# Altium PCB PCB1.PcbDoc (part 2 of 2)
Units mil, origin at the board's own origin, x right, y up, seen from the top; angles counter-clockwise.
Board outline 4000 x 4000 mil, 4 copper layers (Top Layer, Middle Layer 1, Middle Layer 2, Bottom Layer), stack 23.8 mil thick; 93 components, 125 nets, 496 pads, 168 vias.
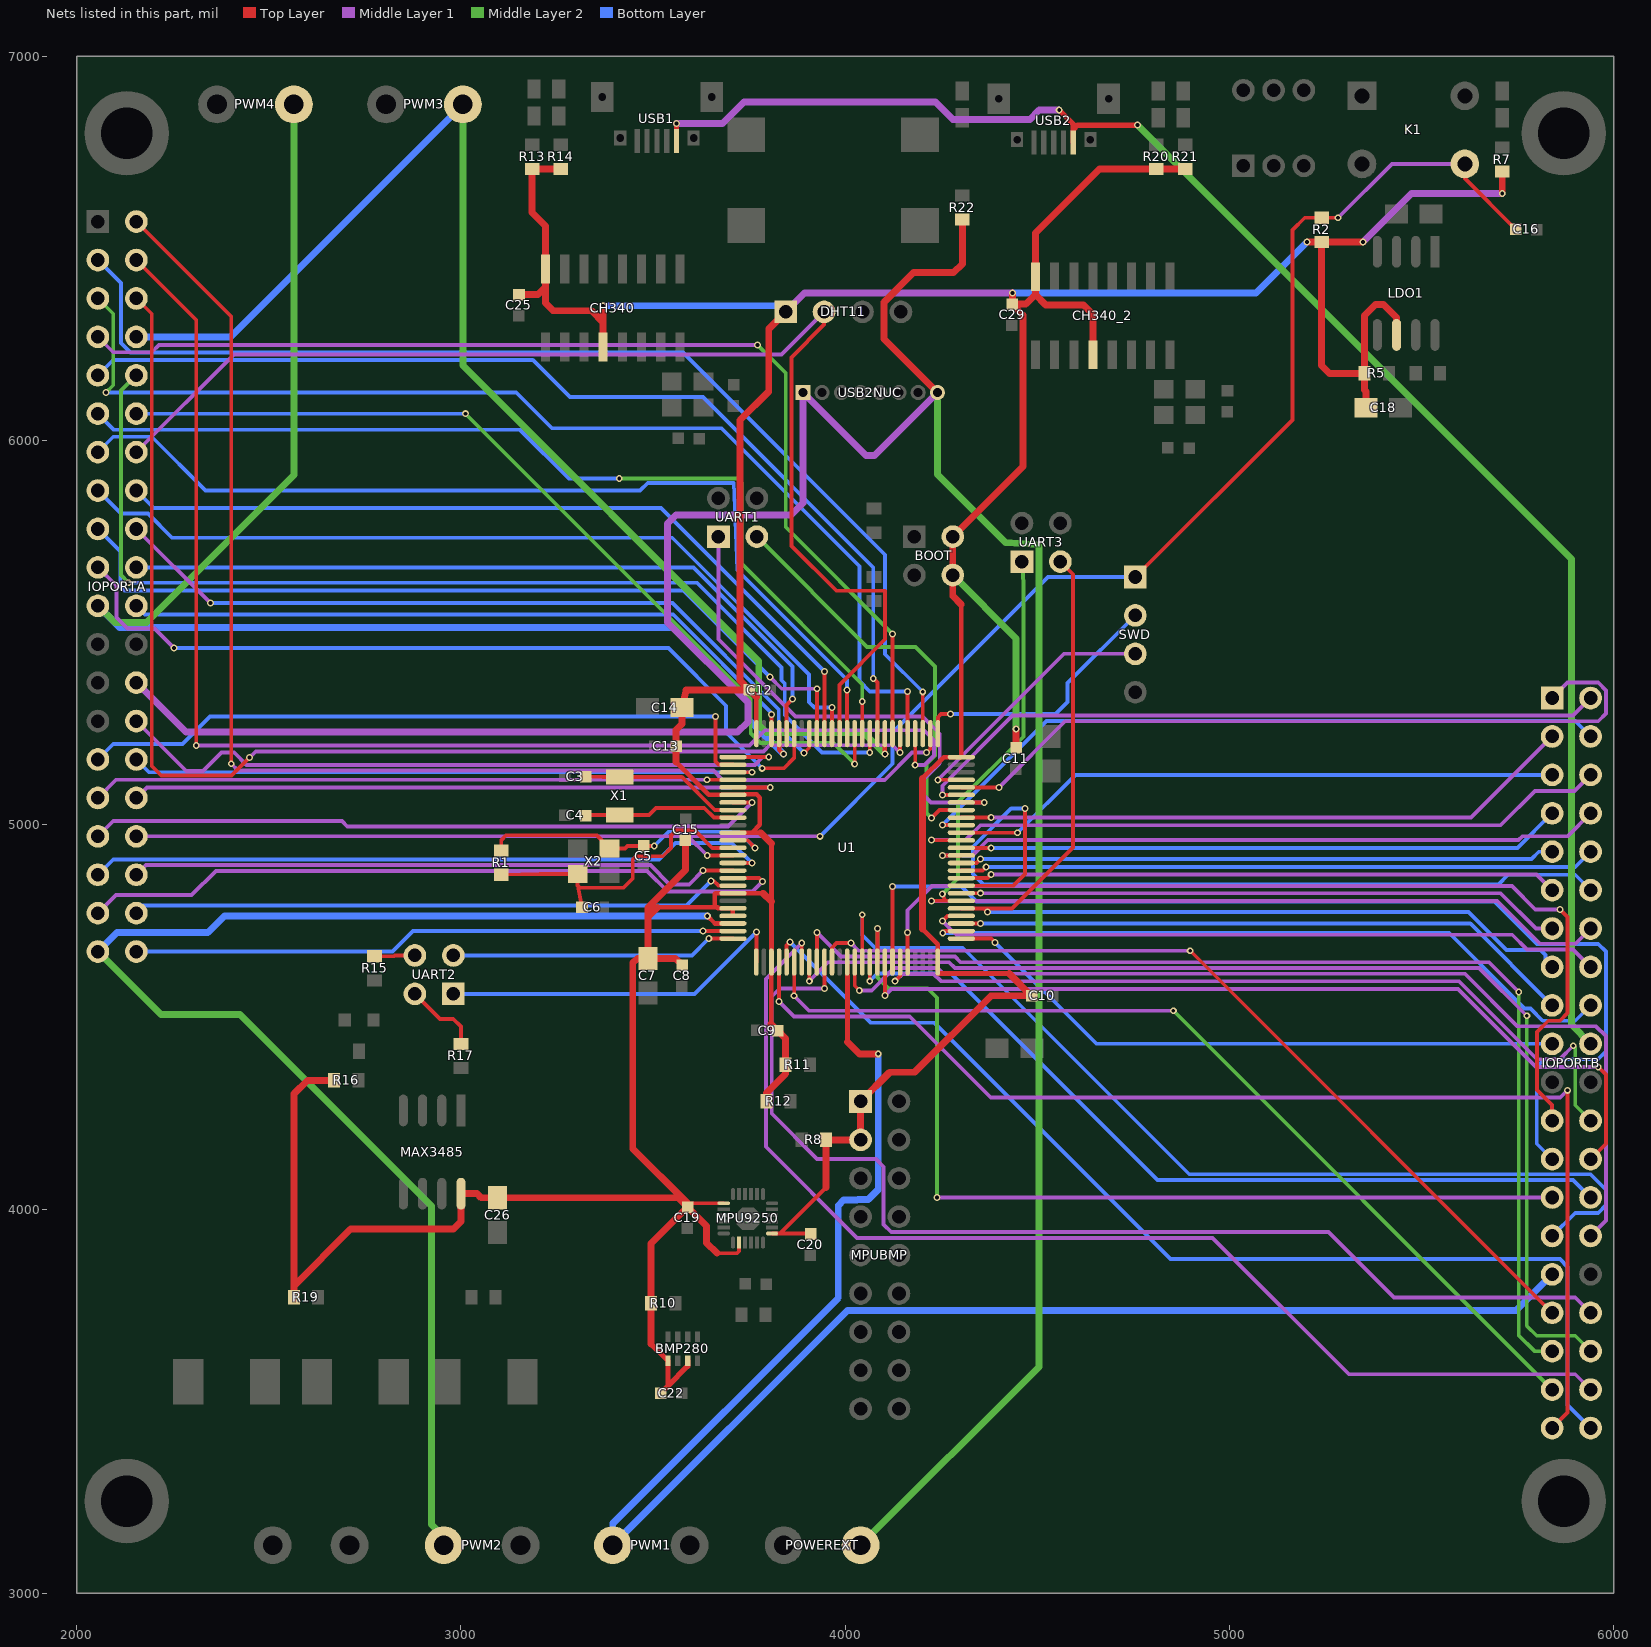
[diagram p4: the nets of this part, all layers, seen from the top]

## Via types
v1: diameter 18, hole 10, Top Layer to Bottom Layer, 162 vias
v2: diameter 50, hole 10, Top Layer to Bottom Layer, 4 vias
v3: diameter 62.99, hole 62.99, Top Layer to Bottom Layer, 1 vias
v4: diameter 70.87, hole 70.87, Top Layer to Bottom Layer, 1 vias

## Nets (pads, with @x,y where several pads share a name; then routed paths per layer and width w, separated by ;. In a path a pad name is that pad's centre, name@x,y a point inside that pad or via, vN(x,y) a via of type N, cw(c..) or ccw(c..) an arc to the next point about the centre after c; other vN are vias at no path point) (continued)
NRST: C16.2 IOPORTA.34 K1.3 R2.1 SWD.1 U1.14 | length 4881.2
  Top Layer w10: v1(3641,4920.32) U1.14@3707.76,4920.32 ; SWD.1@4755,5645 5164,6054 5164,6548 5196,6580 R2.1@5240,6580 v1(5283,6580) ; K1.3@5612.72,6720 5612.72,6682.28 C16.2@5745,6550
  Middle Layer 1 w10: IOPORTA.34@2155,4970 3591.32,4970 ; v1(3641,4920.32) 3591.32,4970 ; v1(3934,4970) 3591.32,4970 ; v1(5283,6580) 5423,6720 K1.3@5612.72,6720
  Bottom Layer w10: v1(3934,4970) 4123,5159 4123,5240 4528,5645 SWD.1@4755,5645
OSC32_IN: C3.2 U1.8 X1.2 | length 418.6
  Top Layer w10: C3.2@3325,5125 3368,5125 3368.79,5124.21 X1.2@3413.03,5124.21 3574.79,5124.21 3660.57,5038.43 U1.8@3707.76,5038.43
OSC32_OUT: C4.2 U1.9 X1.1 | length 402.6
  Top Layer w10: C4.2@3325,5024 3325,5025.79 X1.1@3413.03,5025.79 3489,5025.79 3507.21,5044 3633,5044 3658.26,5018.74 U1.9@3707.76,5018.74
OSC_IN: C5.2 R1.1 U1.12 X2.1 | length 807.8
  Top Layer w10: R1.1@3105,4932.99 3105,4960 3118,4973 3352.34,4973 3386.34,4939 X2.1@3386.34,4938.46 3427,4938.46 3433.54,4945 C5.2@3476,4945 v1(3503,4945) ; U1.12@3707.76,4959.69 3745.31,4959.69 v1(3765,4940)
  Bottom Layer w10: v1(3503,4945) 3540,4982 3723,4982 v1(3765,4940)
OSC_OUT: C6.2 R1.2 U1.13 X2.3 | length 820.5
  Top Layer w10: R1.2@3105,4870 3205.54,4871.54 X2.3@3303.66,4871.54 3303.66,4842.34 ; C6.2@3315,4786 3303.66,4842.34 ; U1.13@3707.76,4940 3654,4940 3609,4985 3560,4985 3547,4972 3547,4940 3525,4918 3455,4918 3447,4910 3447,4860 3423,4836 3310,4836 3303.66,4842.34
PA1: IOPORTA.40 U1.24 | length 1574.9
  Top Layer w10: v1(3630,4723.46) U1.24@3707.76,4723.46
  Bottom Layer w10: IOPORTA.40@2155,4670 2822,4670 2875.46,4723.46 v1(3630,4723.46)
PA4: IOPORTB.39 U1.29 | length 3161.9
  Top Layer w10: v1(3827.83,4540) U1.29@3827.83,4642.76 ; IOPORTB.39@5840,3430 5880,3470 v1(5880,4309)
  Middle Layer 1 w10: v1(3827.83,4540) 3866.83,4501 4168,4501 4379,4290 5861,4290 v1(5880,4309)
PA5: IOPORTB.40 U1.30 | length 2873.7
  Top Layer w10: U1.30@3847.52,4642.76 3847.52,4686.08 v1(3856,4694.56)
  Bottom Layer w10: v1(3856,4694.56) 4065.56,4485 4231,4485 4846.47,3869.53 5860,3869.53 5880,3849.53 5880,3490 IOPORTB.40@5940,3430
PA6: IOPORTB.37 U1.31 | length 2485.4
  Top Layer w10: v1(3867,4555) 3867.2,4555.2 U1.31@3867.2,4642.76
  Middle Layer 1 w10: v1(3867,4555) 3906,4516 v1(4854,4516)
  Middle Layer 2 w10: v1(4854,4516) IOPORTB.37@5840,3530
PA7: IOPORTB.38 U1.32 | length 3025.7
  Top Layer w10: U1.32@3886.89,4642.76 3886.89,4691.89 v1(3887,4692)
  Middle Layer 1 w10: v1(3887,4692) 3793.83,4598.83 3793.83,4162.17 4031,3925 4956,3925 5311,3570 5900,3570 IOPORTB.38@5940,3530
PA8: IOPORTB.3 U1.67 | length 1625.3
  Top Layer w10: U1.67@4302.24,5018.74 4379.74,5018.74 v1(4380,5019)
  Middle Layer 1 w10: v1(4380,5019) 5629,5019 IOPORTB.3@5840,5230
PA11: IOPORTB.2 U1.70 | length 1854.6
  Top Layer w10: v1(4253,5078) 4253.2,5077.8 U1.70@4302.24,5077.8
  Middle Layer 1 w10: v1(4253,5078) 4253,5101.71 4435.82,5284.53 5894.53,5284.53 IOPORTB.2@5940,5330
PA12: IOPORTB.1 U1.71 | length 1982.6
  Top Layer w10: U1.71@4302.24,5097.48 v1(4400.48,5097.48)
  Middle Layer 1 w10: v1(4400.48,5097.48) 4572.53,5269.53 5960,5269.53 5980,5289.53 5980,5350 5960,5370 5880,5370 IOPORTB.1@5840,5330
PA15: IOPORTA.2 U1.77 | length 3423.3
  Top Layer w10: IOPORTA.2@2155,6570 2402,6323 v1(2402,5159) ; v1(4212,5188) 4221.54,5197.54 U1.77@4221.54,5237.24
  Middle Layer 1 w10: v1(2402,5159) 2420,5141 3657,5141 3681,5117 4103,5117 4174,5188 v1(4212,5188)
PB0: IOPORTB.34 U1.35 | length 2953
  Top Layer w10: v1(3945.94,4574) U1.35@3945.94,4642.76
  Middle Layer 1 w10: v1(3945.94,4574) 3830,4574 3808.83,4552.83 3808.83,4248.17 3927,4130 4080,4130 4100,4110 4100,3960 4120,3940 5258,3940 5428,3770 5900,3770 IOPORTB.34@5940,3730
PB1: IOPORTB.33 U1.36 | length 2315.1
  Top Layer w10: U1.36@3965.63,4642.76 3965.63,4680 3977.63,4692 v1(4015,4692) ; v1(4897.9,4672.1) IOPORTB.33@5840,3730
  Middle Layer 1 w10: v1(4015,4692) 4034.9,4672.1 v1(4897.9,4672.1)
PB3: DHT11.2 IOPORTA.14 U1.89 | length 3298.8
  Top Layer w10: DHT11.2@3945,6335 3945,6301.7 3860,6216.7 3860,5726 3977,5609 4104,5609 4104,5483 3985.32,5364.32 U1.89@3985.32,5237.24
  Middle Layer 1 w10: IOPORTA.14@2155,5970 2409.21,6224.21 3834.21,6224.21 DHT11.2@3945,6335
PB4: IOPORTA.15 U1.90 | length 2254.6
  Top Layer w10: U1.90@3965.63,5237.24 v1(3965.63,5305)
  Bottom Layer w10: IOPORTA.15@2055,5870 2115,5810 2185,5810 2248,5747 3550,5747 3906,5391 3906,5319 3920,5305 v1(3965.63,5305)
PB5: IOPORTA.16 U1.91 | length 2147.7
  Top Layer w10: U1.91@3945.94,5237.24 v1(3945.94,5398.8)
  Bottom Layer w10: IOPORTA.16@2155,5870 2200.47,5824.53 3520.21,5824.53 v1(3945.94,5398.8)
PB6: IOPORTA.17 U1.92 | length 2213.6
  Top Layer w10: U1.92@3926.26,5237.24 v1(3926.26,5354)
  Middle Layer 1 w10: v1(3804,5385) 3835,5354 v1(3926.26,5354)
  Bottom Layer w10: IOPORTA.17@2055,5770 2114,5711 2114,5620 2124.47,5609.53 3579.47,5609.53 v1(3804,5385)
PB7: IOPORTA.18 U1.93 | length 2063
  Top Layer w10: v1(3893,5187) 3906.57,5200.57 U1.93@3906.57,5237.24
  Middle Layer 1 w10: IOPORTA.18@2155,5770 v1(2348,5577)
  Bottom Layer w10: v1(2348,5577) 3550.15,5577 3827.15,5300 3827.15,5252.85 v1(3893,5187)
PB8: IOPORTA.19 U1.95 | length 2191.6
  Top Layer w10: v1(3784,5147) 3840,5147 3867.2,5174.2 U1.95@3867.2,5237.24
  Middle Layer 1 w10: IOPORTA.19@2055,5670 2103,5622 2103,5540 2132,5511 2202,5511 v1(2253,5460)
  Bottom Layer w10: v1(2253,5460) 3540,5460 3690,5310 3690,5241 v1(3784,5147)
PB9: IOPORTA.20 U1.96 | length 1995.9
  Top Layer w10: U1.96@3847.52,5237.24 3847.52,5311.52 v1(3863,5327)
  Bottom Layer w10: IOPORTA.20@2155,5670 3604.73,5670 3863,5411.73 v1(3863,5327)
PB12: IOPORTB.19 U1.51 | length 1651.2
  Top Layer w10: U1.51@4302.24,4703.78 4380.22,4703.78 v1(4390,4694)
  Bottom Layer w10: v1(4390,4694) 4654,4430 IOPORTB.19@5840,4430
PB13: IOPORTB.18 U1.52 | length 1847.5
  Top Layer w10: v1(4254,4718) 4259.46,4723.46 U1.52@4302.24,4723.46
  Bottom Layer w10: v1(4254,4718) 5572,4718 5768,4522 5783.32,4522 5815.32,4490 5900,4490 IOPORTB.18@5940,4530
PB14: IOPORTB.17 U1.53 | length 1626
  Top Layer w10: U1.53@4302.24,4743.15 4351.85,4743.15 v1(4352,4743)
  Bottom Layer w10: v1(4352,4743) 5627,4743 IOPORTB.17@5840,4530
PB15: IOPORTB.16 U1.54 | length 1791.3
  Top Layer w10: v1(4253,4750) 4265.83,4762.83 U1.54@4302.24,4762.83
  Middle Layer 1 w10: v1(4253,4750) 4289,4714 5736.02,4714 5774.55,4675.47 5894.53,4675.47 IOPORTB.16@5940,4630
PC0: IOPORTA.35 U1.15 | length 1807.3
  Top Layer w10: U1.15@3707.76,4900.63 v1(3757,4900.63)
  Bottom Layer w10: IOPORTA.35@2055,4870 2095,4910 3515.58,4910 3558.58,4953 3704.63,4953 v1(3757,4900.63)
PC1: IOPORTA.36 U1.16 | length 1598.8
  Top Layer w10: v1(3630,4881) 3630.06,4880.94 U1.16@3707.76,4880.94
  Middle Layer 1 w10: IOPORTA.36@2155,4870 2180,4895 3493,4895 3543,4845 3594,4845 v1(3630,4881)
PC2: IOPORTA.37 U1.17 | length 1889.8
  Top Layer w10: U1.17@3707.76,4861.26 3775.74,4861.26 v1(3785,4852)
  Middle Layer 1 w10: IOPORTA.37@2055,4770 2102,4817 2299,4817 2362,4880 3484,4880 3538,4826 3759,4826 v1(3785,4852)
PC3: IOPORTA.38 U1.18 | length 1604.1
  Top Layer w10: v1(3650.57,4853.57) 3658,4853.57 3670,4841.57 U1.18@3707.76,4841.57
  Bottom Layer w10: IOPORTA.38@2155,4770 2155,4790 3587,4790 v1(3650.57,4853.57)
PC4: IOPORTB.36 U1.33 | length 2995.5
  Top Layer w10: v1(3906.57,4593) U1.33@3906.57,4642.76
  Middle Layer 1 w10: v1(3906.57,4593) 3955.68,4642.1 4270.54,4642.1 4285.32,4627.32 5649.68,4627.32 v1(5774,4503)
  Middle Layer 2 w10: v1(5774,4503) 5774,3696 5800,3670 5900,3670 IOPORTB.36@5940,3630
PC5: IOPORTB.35 U1.34 | length 2966.2
  Top Layer w10: U1.34@3926.26,4642.76 v1(3926.26,4720)
  Middle Layer 1 w10: v1(3926.26,4720) 3989.16,4657.1 4285.54,4657.1 4300.32,4642.32 5675.68,4642.32 v1(5753,4565)
  Middle Layer 2 w10: v1(5753,4565) 5753,3671 5794,3630 IOPORTB.35@5840,3630
PC6: IOPORTB.7 U1.63 | length 1575
  Top Layer w10: U1.63@4302.24,4940 v1(4380,4940)
  Bottom Layer w10: v1(4380,4940) 5750,4940 IOPORTB.7@5840,5030
PC7: IOPORTB.6 U1.64 | length 1862.8
  Top Layer w10: v1(4225,4960) 4225.31,4959.69 U1.64@4302.24,4959.69
  Middle Layer 1 w10: v1(4225,4960) 4313,4960 4352,4999 5706,4999 5795,5088 5898,5088 IOPORTB.6@5940,5130
PC8: IOPORTB.5 U1.65 | length 1600.1
  Top Layer w10: U1.65@4302.24,4979.37 v1(4448.37,4979.37)
  Bottom Layer w10: v1(4448.37,4979.37) 4599,5130 IOPORTB.5@5840,5130
PC9: IOPORTB.4 U1.66 | length 1865
  Top Layer w10: v1(4253,4999.06) U1.66@4302.24,4999.06
  Bottom Layer w10: v1(4253,4999.06) 4523.94,5270 5900,5270 IOPORTB.4@5940,5230
PC10: IOPORTA.3 U1.78 | length 2964.4
  Top Layer w10: U1.78@4201.85,5237.24 v1(4201.85,5346.15)
  Bottom Layer w10: IOPORTA.3@2055,6470 2115,6410 2115,6254 2140,6229 3578,6229 4104,5703 4104,5444 v1(4201.85,5346.15)
PC11: IOPORTA.4 U1.79 | length 3456.6
  Top Layer w10: IOPORTA.4@2155,6470 2311,6314 v1(2311,5206) ; v1(4182.17,5155.53) U1.79@4182.17,5237.24
  Middle Layer 1 w10: v1(2311,5206) 3751,5206 3791,5246 4205,5246 4231,5220 4231,5180 4206.53,5155.53 v1(4182.17,5155.53)
PC12: IOPORTA.5 U1.80 | length 2963.1
  Top Layer w10: U1.80@4162.48,5237.24 v1(4162.48,5347)
  Middle Layer 2 w10: IOPORTA.5@2055,6370 2095,6330 2095,6144 v1(2076,6125)
  Bottom Layer w10: v1(2076,6125) 3144,6125 3237,6032 3678,6032 4037,5673 4037,5374 4064,5347 v1(4162.48,5347)
PC13: IOPORTA.33 U1.7 | length 1799.3
  Top Layer w10: U1.7@3707.76,5058.11 3756.89,5058.11 v1(3757,5058)
  Middle Layer 1 w10: IOPORTA.33@2055,4970 2095,5010 2690,5010 2704,4996 3695,4996 v1(3757,5058)
PD0: IOPORTA.6 U1.81 | length 3281.6
  Top Layer w10: IOPORTA.6@2155,6370 2195,6330 2195,5153 2220,5128 2403,5128 v1(2450,5175) ; v1(4142.8,5188) U1.81@4142.8,5237.24
  Middle Layer 1 w10: v1(2450,5175) 2466,5191 3787.1,5191 3803.1,5207 4123.8,5207 v1(4142.8,5188)
PD1: IOPORTA.7 U1.82 | length 2898.6
  Top Layer w10: U1.82@4123.11,5237.24 v1(4123.11,5496.89)
  Middle Layer 1 w10: IOPORTA.7@2055,6270 2095,6230 2195,6230 2214,6249 v1(3772,6249)
  Middle Layer 2 w10: v1(3772,6249) 3845.31,6175.69 3845.31,5774.69 v1(4123.11,5496.89)
PD3: IOPORTA.9 U1.84 | length 2695.4
  Top Layer w10: v1(4073,5380.74) 4083.74,5370 U1.84@4083.74,5237.24
  Bottom Layer w10: IOPORTA.9@2055,6170 2095,6210 3187,6210 3284,6113 3630,6113 4073,5670 v1(4073,5380.74)
PD4: IOPORTA.10 U1.85 | length 2794.1
  Top Layer w10: v1(4064,5188) 4064.06,5188.06 U1.85@4064.06,5237.24
  Middle Layer 2 w10: v1(2135,5630) 2115,5650 2115,6130 IOPORTA.10@2155,6170
  Bottom Layer w10: v1(2135,5630) 3613.87,5630 3834.62,5409.25 3834.62,5376.07 3842.5,5368.19 3842.5,5285.5 3940,5188 v1(4064,5188)
PD5: IOPORTA.11 U1.86 | length 2532.5
  Top Layer w10: U1.86@4044.37,5237.24 v1(4044.37,5321)
  Middle Layer 2 w10: v1(3412,5901) 3719,5901 3730,5890 3730,5680 4044.37,5365.63 v1(4044.37,5321)
  Bottom Layer w10: IOPORTA.11@2055,6070 2097,6028 3154,6028 3281,5901 v1(3412,5901)
PD6: IOPORTA.12 U1.87 | length 2378.8
  Top Layer w10: v1(4024.69,5158) U1.87@4024.69,5237.24
  Middle Layer 2 w10: v1(3012,6070) 3754,5328 3754,5239 3780,5213 3969.69,5213 v1(4024.69,5158)
  Bottom Layer w10: IOPORTA.12@2155,6070 v1(3012,6070)
PD7: IOPORTA.13 U1.88 | length 2508.9
  Top Layer w10: U1.88@4005,5237.24 v1(4005,5351)
  Bottom Layer w10: IOPORTA.13@2055,5970 2095,6010 2195,6010 2335,5870 3466,5870 3486,5890 3710,5890 3720,5662.44 4005,5377.44 v1(4005,5351)
PD10: IOPORTB.13 U1.57 | length 1575.9
  Top Layer w10: U1.57@4302.24,4821.89 4351.89,4821.89 v1(4352,4822)
  Middle Layer 1 w10: v1(4352,4822) 5706,4822 5798,4730 IOPORTB.13@5840,4730
PD11: IOPORTB.12 U1.58 | length 2240.7
  Top Layer w10: U1.58@4302.24,4841.57 4438,4841.57 4468,4871.57 v1(4468,5042)
  Bottom Layer w10: v1(4468,5042) 4432,5042 4333,4943 4333,4872 4360,4845 5700,4845 5725,4870 5900,4870 IOPORTB.12@5940,4830
PD12: IOPORTB.11 U1.59 | length 1558.8
  Top Layer w10: U1.59@4302.24,4861.26 4370.26,4861.26 v1(4380,4871)
  Middle Layer 1 w10: v1(4380,4871) 5799,4871 IOPORTB.11@5840,4830
PD13: IOPORTB.10 U1.60 | length 1658.1
  Top Layer w10: U1.60@4302.24,4880.94 4357.89,4880.94 v1(4366.94,4890)
  Bottom Layer w10: v1(4366.94,4890) 5900,4890 IOPORTB.10@5940,4930
PD14: IOPORTB.9 U1.61 | length 1549.9
  Top Layer w10: U1.61@4302.24,4900.63 4341.63,4900.63 v1(4352,4911)
  Bottom Layer w10: v1(4352,4911) 5786,4911 5805,4930 IOPORTB.9@5840,4930
PD15: IOPORTB.8 U1.62 | length 1781.9
  Top Layer w10: v1(4253,4920) 4253.32,4920.32 U1.62@4302.24,4920.32
  Middle Layer 1 w10: v1(4253,4920) 4331,4920 4371,4960 5752,4960 5762,4970 5880,4970 IOPORTB.8@5940,5030
PE1: IOPORTA.22 U1.98 | length 1822.6
  Top Layer w10: U1.98@3808.15,5237.24 v1(3808.15,5287)
  Bottom Layer w10: IOPORTA.22@2155,5570 2178,5547 3552.3,5547 3808.15,5291.15 v1(3808.15,5287)
PE2: IOPORTA.28 U1.1 | length 1834.6
  Top Layer w10: U1.1@3707.76,5176.22 v1(3801,5176.22)
  Middle Layer 1 w10: IOPORTA.28@2155,5270 2285,5140 2329,5140 2377,5188 2410,5188 2442,5156 3765,5156 3785,5176 3800.78,5176 v1(3801,5176.22)
PE3: IOPORTA.29 U1.2 | length 1819.9
  Top Layer w10: v1(3662,5282) 3662,5164.54 3670,5156.54 U1.2@3707.76,5156.54
  Bottom Layer w10: IOPORTA.29@2055,5170 2095,5210 2275,5210 2347,5282 v1(3662,5282)
PE4: IOPORTA.30 U1.3 | length 1665
  Top Layer w10: U1.3@3707.76,5136.85 v1(3757,5136.85)
  Bottom Layer w10: IOPORTA.30@2155,5170 2188.15,5136.85 v1(3757,5136.85)
PE5: IOPORTA.31 U1.4 | length 1672.3
  Top Layer w10: v1(3640,5117.17) U1.4@3707.76,5117.17
  Middle Layer 1 w10: IOPORTA.31@2055,5070 2102.17,5117.17 v1(3640,5117.17)
PE6: IOPORTA.32 U1.5 | length 1758.6
  Top Layer w10: U1.5@3707.76,5097.48 v1(3805,5097.48)
  Middle Layer 1 w10: IOPORTA.32@2155,5070 2182.48,5097.48 v1(3805,5097.48)
PE8: IOPORTB.30 U1.39 | length 2656
  Top Layer w10: U1.39@4024.69,4642.76 4024.69,4581 v1(4036.69,4569)
  Middle Layer 1 w10: v1(4036.69,4569) 4069,4569 4127.1,4627.1 4240.76,4627.1 4255.54,4612.32 5613.18,4612.32 5750,4475.5 5954.5,4475.5 5980,4450 5980,3970 IOPORTB.30@5940,3930
PE9: IOPORTB.29 U1.40 | length 2599.6
  Top Layer w10: U1.40@4044.37,4642.76 v1(4044.37,4766)
  Bottom Layer w10: v1(4044.37,4766) 4044.37,4713 4077.37,4680 4306,4680 4895.53,4090.47 5939.53,4090.47 5980,4050 5980,4010 5960,3990 5900,3990 IOPORTB.29@5840,3930
PE10: IOPORTB.28 U1.41 | length 2175.5
  Top Layer w10: v1(4064,4593) 4064.06,4593.06 U1.41@4064.06,4642.76
  Bottom Layer w10: v1(4064,4593) 4084,4613 4275,4613 4812.53,4075.47 5894.53,4075.47 IOPORTB.28@5940,4030
PE11: IOPORTB.27 U1.42 | length 2512.3
  Top Layer w10: U1.42@4083.74,4642.76 4083.74,4729.74 v1(4084,4730)
  Middle Layer 1 w10: v1(4239,4030) IOPORTB.27@5840,4030
  Middle Layer 2 w10: v1(4084,4730) 4084,4603 4113,4574 4215,4574 4239,4550 v1(4239,4030)
PE12: IOPORTB.26 U1.43 | length 2299.5
  Top Layer w10: v1(4103.43,4555.85) U1.43@4103.43,4642.76 ; IOPORTB.26@5940,4130 5980,4170 5980,4350 v1(5960,4370)
  Middle Layer 1 w10: v1(4103.43,4555.85) 4120.57,4573 5594.87,4573 5797.87,4370 v1(5960,4370)
PE13: IOPORTB.25 U1.44 | length 2836.3
  Top Layer w10: U1.44@4123.11,4642.76 v1(4123.11,4839)
  Bottom Layer w10: v1(4123.11,4839) 4303,4839 4342,4800 5690,4800 5800,4690 5960,4690 5980,4670 5980,4410 5960,4390 5820,4390 5800,4370 5800,4170 IOPORTB.25@5840,4130
PE14: IOPORTB.24 U1.45 | length 2148.1
  Top Layer w10: v1(4130,4593) 4142.8,4605.8 U1.45@4142.8,4642.76
  Middle Layer 1 w10: v1(4130,4593) 4149.1,4612.1 4230,4612.1 4249.1,4593 5597,4593 5800,4390 5860,4390 v1(5895,4425)
  Middle Layer 2 w10: v1(5895,4425) 5900,4420 5900,4270 IOPORTB.24@5940,4230
PE15: IOPORTB.23 U1.46 | length 2509
  Top Layer w10: U1.46@4162.48,4642.76 v1(4162.48,4720) ; IOPORTB.23@5840,4230 5840,4270.47 5800.47,4310 5800.47,4460.47 5830,4490 5860,4490 5880,4510 5880,4760 v1(5860,4780)
  Middle Layer 1 w10: v1(4162.48,4720) 4162.48,4777.48 4226,4841 5735.09,4841 5796.09,4780 v1(5860,4780)
RX485: R17.1 UART2.2 | length 200.2
  Top Layer w10: UART2.2@2880,4560 2945,4495 2980,4495 3000,4475 R17.1@3000,4430
SWCLK: SWD.2 U1.76 | length 695
  Top Layer w10: U1.76@4241.22,5237.24 4241.22,5280 4249.22,5288 v1(4274,5288)
  Bottom Layer w10: v1(4274,5288) 4547,5288 4579,5320 4579,5369 SWD.2@4755,5545
SWDIO: SWD.3 U1.72 | length 711.2
  Top Layer w10: v1(4241,5117) 4241.17,5117.17 U1.72@4302.24,5117.17
  Middle Layer 1 w10: v1(4241,5117) 4569,5445 SWD.3@4755,5445
TIM1_ETR: IOPORTB.31 PWM1.1 U1.38 | length 4639.6
  Top Layer w11.81: U1.38@4005,4642.76 4005,4610 4006,4609 4006,4435
  Top Layer w18: 4006,4435 4037,4404 v1(4086,4404)
  Bottom Layer w18: v1(4086,4404) 4086,4051 4060,4025 4033,4025 4031,4023 3996,4023 3982,4009 3982,3769 3395,3182 PWM1.1@3395,3125 4006,3736 5746,3736 IOPORTB.31@5840,3830
TIM2_ETR: IOPORTA.39 PWM2.1 U1.23 | length 3738
  Top Layer w11.81: v1(3641.15,4763) 3661,4743.15 U1.23@3707.76,4743.15
  Middle Layer 2 w18: IOPORTA.39@2055,4670 2219,4506 2425,4506 2923,4008 2923,3178.76 2955,3146.76 PWM2.1@2955,3125
  Bottom Layer w18: IOPORTA.39@2055,4670 2105,4720 2341,4720 2384,4763 v1(3641.15,4763)
TIM3_ETR: IOPORTA.8 PWM3.1 U1.83 | length 3447.7
  Top Layer w11.81: v1(4103.43,5184) U1.83@4103.43,5237.24
  Middle Layer 2 w18: PWM3.1@3005,6875 3005,6195 3775,5425 3775,5260 3795,5240 4047.43,5240 v1(4103.43,5184)
  Bottom Layer w18: IOPORTA.8@2155,6270 2400,6270 PWM3.1@3005,6875
TIM4_ETR: IOPORTA.21 PWM4.1 U1.97 | length 3681.3
  Top Layer w11.81: U1.97@3827.83,5237.24 3827.83,5195 v1(3839,5183.83)
  Middle Layer 2 w18: IOPORTA.21@2055,5570 2099,5526 2181,5526 2565,5910 PWM4.1@2565,6875
  Bottom Layer w18: IOPORTA.21@2055,5570 2111,5514 3554.92,5514 3748.92,5320 3748.92,5273.92 v1(3839,5183.83)
TX485: R15.1 UART2.4 | length 105.8
  Top Layer w10: R15.1@2775,4657.99 2826,4657.99 2828.01,4660 UART2.4@2880,4660
UART1_RX: U1.69 UART1.1 | length 1350.5
  Top Layer w10: U1.69@4302.24,5058.11 4361.89,5058.11 v1(4362,5058)
  Middle Layer 1 w10: UART1.1@3670,5750 3670,5483 3871,5282 4201,5282 4246,5237 4246,5160 4201,5115 4201,5080 4223,5058 v1(4362,5058)
UART1_TX: U1.68 UART1.3 | length 1098.2
  Top Layer w10: v1(4225,5018) 4245.43,5038.43 U1.68@4302.24,5038.43
  Middle Layer 2 w10: UART1.3@3770,5750 4057,5463 4183,5463 4234,5412 4234,5180 4212,5158 4212,5031 v1(4225,5018)
UART2_RX: U1.26 UART2.1 | length 933.7
  Top Layer w10: U1.26@3768.78,4642.76 v1(3768.78,4721)
  Bottom Layer w10: UART2.1@2980,4560 3607.78,4560 v1(3768.78,4721)
UART2_TX: U1.25 UART2.3 | length 745.9
  Top Layer w10: v1(3645,4703.78) U1.25@3707.76,4703.78
  Bottom Layer w10: UART2.3@2980,4660 3601.22,4660 v1(3645,4703.78)
UART3_RX: IOPORTB.14 U1.56 UART3.1 | length 2826.7
  Top Layer w10: v1(4225,4802) 4225.2,4802.2 4260,4802.2 ; v1(4252.8,4819.8) 4260,4802.2 ; U1.56@4302.24,4802.2 4260,4802.2
  Middle Layer 1 w10: v1(4225,4802) 5697,4802 5808.53,4690.47 5900.47,4690.47 IOPORTB.14@5940,4730
  Middle Layer 2 w10: v1(4252.8,4819.8) 4294,4861 4294,5059 4464,5229 4464,5629 UART3.1@4460,5685
UART3_TX: IOPORTB.15 U1.55 UART3.3 | length 2665
  Top Layer w10: U1.55@4302.24,4782.52 4360.48,4782.52 ; v1(4370,4773) 4360.48,4782.52 ; UART3.3@4560,5685 4593,5652 4593,4941 4434.52,4782.52 4360.48,4782.52
  Bottom Layer w10: v1(4370,4773) 5622,4773 5721,4674 5810,4674 5823,4661 5823,4647 IOPORTB.15@5840,4630
V33: BMP280.6 BMP280.8 BOOT.2 BOOT.4 C7.2 C8.2 C9.2 C10.2 C11.2 C12.2 C13.2 C14.2 C15.2 C18.2 C19.2 C20.2 C22.2 C25.2 C26.2 C29.2 CH340.4 CH340.16 CH340_2.4 CH340_2.16 DHT11.1 LDO1.6 MAX3485.8 MPU9250.1 MPU9250.8 MPU9250.13 MPUBMP.1 MPUBMP.3 R2.2 R5.1 R7.2 R8.2 R10.2 R11.2 R12.2 R13.2 R14.2 R16.2 R19.1 R20.2 R21.2 U1.6 U1.11 U1.19 U1.21 U1.22 U1.28 U1.50 U1.75 U1.100 | length 16143.2
  Top Layer w9.84: C19.2@3590,4015 MPU9250.1@3684.02,4015 ; 3666,3885 3718.39,3885 3723.39,3890 MPU9250.8@3723.39,3912.64 ; MPU9250.13@3810,3936.26 3830.26,3936.26 ; C20.2@3908.74,3936.26 3830.26,3936.26 ; 3950,4056 3830.26,3936.26
  Top Layer w11.81: 3511.6,4785 3666,4785 ; 3560,5163 3645.2,5077.8 U1.6@3707.76,5077.8 3737,5077.8 3738.2,5079 3770,5079 3778,5071 3778,5000 3757.37,4979.37 ; U1.22@3707.76,4762.83 U1.21@3707.76,4782.52 3671,4782.52 ; U1.11@3707.76,4979.37 3757.37,4979.37 ; U1.100@3768.78,5237.24 3768.78,5332.22 ; 3780,4979.37 3757.37,4979.37 ; 3786.26,4821.89 U1.19@3707.76,4821.89 3661.89,4821.89 3661,4821 3661,4790 3666,4785 ; 3807.09,4481.91 3807.09,4613 3808.15,4613 U1.28@3808.15,4642.76 3808.15,4800 3808.15,4951.22 ; 4201,4729.22 4241.22,4689 U1.50@4241.22,4642.76 4241.22,4613 4427,4613 ; 4201,5121 4256.22,5176.22 U1.75@4302,5176.22 ; 4302,5573 U1.75@4302,5176.22 ; U1.75@4302.24,5176.22 U1.75@4302,5176.22 ; 3666,4785 3668.52,4785 3671,4782.52 ; 3666,4785 3668.48,4782.52 3671,4782.52
  Top Layer w13.78: 3495,3648.82 BMP280.8@3538.82,3605 3538.82,3539.82 ; C22.2@3520,3521 3538.82,3539.82 ; BMP280.6@3590,3605 3590,3591 3538.82,3539.82
  Top Layer w18: R19.1@2565,3770 2565,3800 ; R16.2@2670,4335 2600,4335 2565,4300 2565,3800 ; C25.2@3151,6380 3200,6380 3220,6400 ; R14.2@3260,6707.01 R13.2@3185,6707.01 3185,6594 3220,6559 CH340.16@3220,6446.38 3220,6400 ; CH340.4@3370,6243.62 3370,6308 ; v1(3370,6351) 3370,6308 ; 3495,3648.82 R10.2@3495,3755 3495,3910 C19.2@3590,4005 ; 3511.6,4785 3486.6,4760 ; 3560,5163 C13.2@3560,5204 3560,5247 3575,5262 C14.2@3575,5305 3586,5351 C12.2@3750,5351 ; C8.2@3576,4635 3558.82,4652.18 C7.2@3486.6,4652.18 ; C15.2@3584,4960 3584,4882.4 3486.6,4785 3486.6,4760 ; 3666,3885 3639,3912 3639,3956 C19.2@3590,4005 ; 3768.78,5332.22 C12.2@3750,5351 ; 3780,4979.37 3808.15,4951.22 ; 3786.26,4821.89 3808.15,4800 ; R12.2@3795,4280 3795,4302 3845,4352 R11.2@3845,4375 3845,4444 C9.2@3825,4464 3807.09,4481.91 ; DHT11.1@3845,6335 3801,6291 3801,6128 3726,6053 3726,5375 C12.2@3750,5351 ; C20.2@3908.74,3936.26 C20.2@3910,3935 ; 3950,4056 R8.2@3950,4180 MPUBMP.3@4040,4180 MPUBMP.1@4040,4280 4116,4356 4180.89,4356 4379.89,4555 C10.2@4485,4555 4427,4613 ; 4201,4729.22 4201,5121 ; 4302,5573 4280,5595 BOOT.4@4280,5650 BOOT.2@4280,5750 4463,5933 4463,6327 C29.2@4435,6355 ; v1(4435,6384) C29.2@4435,6355 ; C11.2@4445,5200 v1(4445,5249) ; CH340_2.4@4645,6223.62 4645,6328 4620,6353 4522,6353 4495,6380 ; R21.2@4885,6707.01 R20.2@4810,6707.01 4662.01,6707.01 4495,6540 CH340_2.16@4495,6426.38 4495,6380 ; v1(5202,6517.01) R2.2@5240,6517.01 ; v1(5348.01,6517.01) R2.2@5240,6517.01 ; C18.2@5355.71,6085.4 5355.71,6128 5352.01,6131.7 R5.1@5352.01,6175 ; LDO1.6@5435,6275 5435,6320 5401,6354 5380,6354 5352.01,6326.01 R5.1@5352.01,6175 ; v1(5710,6643) R7.2@5710,6700 ; 2565,3800 2713,3948 2980,3948 3000,3968 MAX3485.8@3000,4040 3042,4040 3052.71,4029.29 C26.2@3095.4,4029.29 3565.71,4029.29 C19.2@3590,4005 ; 3220,6400 3220,6358 3240,6338 3340,6338 3370,6308 ; C7.2@3486.6,4652.18 3486.6,4760 ; C7.2@3486.6,4652.18 3459.18,4652.18 3447,4640 3447,4158 3590,4015 C19.2@3590,4005 ; C29.2@4435,6355 4470,6355 4495,6380 ; R2.2@5240,6517.01 5240,6195 5260,6175 R5.1@5352.01,6175
  Middle Layer 1 w18: DHT11.1@3845,6335 3894,6384 v1(4435,6384) ; v1(5348.01,6517.01) 5474,6643 v1(5710,6643)
  Middle Layer 2 w18: BOOT.4@4280,5650 4445,5485 v1(4445,5249)
  Bottom Layer w18: v1(3370,6351) 3829,6351 DHT11.1@3845,6335 ; v1(4435,6384) 5068.99,6384 v1(5202,6517.01)
VNUC5: IOPORTA.26 POWEREXT.2 R22.2 USB2NUC.1 USB2NUC.8 | length 7406.7
  Top Layer w18: USB2NUC.8@4240,6125 4101,6264 4101,6360 4178,6437 4282,6437 4305,6460 R22.2@4305,6575
  Middle Layer 1 w18: IOPORTA.26@2155,5370 2284,5241 3720,5241 3747,5268 3747,5318 3538,5527 3538,5784 3560,5806 3859,5806 3890,5837 USB2NUC.1@3890,6125 4054,5961 4076,5961 USB2NUC.8@4240,6125
  Middle Layer 2 w18: POWEREXT.2@4040,3125 4504,3589 4504,5729 4417,5735 4240,5912 USB2NUC.8@4240,6125
VUSB_2: IOPORTB.20 USB1.1 USB2.1 | length 4243.1
  Top Layer w13.78: USB1.1@3561.18,6780 v1(3561.18,6825) ; v1(4557,6860) 4593.9,6823.1 4593.9,6810 ; USB2.1@4593.9,6775.83 4593.9,6810 ; v1(4761,6821) 4604.9,6821 4593.9,6810
  Middle Layer 1 w18: v1(3561.18,6825) 3681,6825 3737,6881 4235,6881 4280,6836 4481,6836 4505,6860 v1(4557,6860)
  Middle Layer 2 w18: v1(4761,6821) 5890,5692 5890,4480 IOPORTB.20@5940,4430
pads on no net: CH340.9 CH340.10 CH340.11 CH340.12 CH340.13 CH340.14 CH340.15 CH340_2.9 CH340_2.10 CH340_2.11 CH340_2.12 CH340_2.13 CH340_2.14 CH340_2.15 DHT11.3 K1.2 K1.4 LDO1.1 LDO1.4 LDO1.5 MPU9250.2 MPU9250.3 MPU9250.4 MPU9250.5 MPU9250.6 MPU9250.7 MPU9250.14 MPU9250.15 MPU9250.16 MPU9250.17 MPU9250.19 MPU9250.21 MPU9250.25 MPUBMP.2 MPUBMP.4 MPUBMP.6 MPUBMP.12 MPUBMP.14 MPUBMP.16 MPUBMP.18 S1.3 S1.4 S1.5 S1.6 USB1.0 USB1.4 USB2.0 USB2.4 X2.2 X2.4 X3.2 X3.4 X4.2 X4.4
copper on no net:
  other v3: 3968.62,6800.16
  other v4: 3968.62,6622.99

## Polygon pours and split planes (outlines as drawn)
GND on Top Layer "Top Layer-GND" (solid, pour order 2): 2210,6695 2210,3310 5785,3310 5785,6715 5715,6715 5650,6650 3100,6650 3100,6695
GND on Bottom Layer "Bottom Layer-GND" (solid, pour order 14): 2210,6695 2210,3310 5785,3310 5785,6714.79 5784.79,6715 5710,6715 5710,6710 5650,6650 3100,6650 3100,6695
GND on Middle Layer 1 "Middle Layer 1-GND" (solid, pour order 16): 2210,6695 2210,3310 5785,3310 5785,6714.79 5784.79,6715 5710,6715 5710,6710 5650,6650 3100,6650 3100,6695
GND on Middle Layer 2 "Middle Layer 2-GND" (solid, pour order 18): 2210,6695 2210,3310 5785,3310 5785,6714.79 5784.79,6715 5710,6715 5710,6710 5650,6650 3100,6650 3100,6695

## Keep-outs
Keep-Out Layer:
  lines w10: 2005,3050 2005,6960 5995,6960 5995,3050 2005,3050

## Other copper
Top Layer:
  pour cut-out: 2390,3310 2390,3790 2750,4150 3080,4150 3080,3305 3075,3310
  pour cut-out: 4705,5695 4705,5295 4805,5295 4805,5695
  pour cut-out: 4410,5835 4410,5635 4610,5635 4610,5835
  pour cut-out: 4130,5800 4130,5600 4330,5600 4330,5800
  pour cut-out: 3855,6160 3855,6090 4275,6090 4275,6160
  pour cut-out: 3795,6385 4195,6385 4195,6285 3795,6285
  pour cut-out: 3620,5900 3620,5700 3820,5700 3820,5900
  pour cut-out: 2830,4710 2830,4510 3030,4510 3030,4710
  pour cut-out: 3975,3985
  pour cut-out: 3990,4330 3990,3430 4190,3430 4190,4330
  pour cut-out: 3990,4330 3990,3430 4190,3430 4190,4330
Middle Layer 1:
  pour cut-out: 2390,3305 2390,3785 2750,4145 3080,4145 3080,3300 3075,3305
  pour cut-out: 4705,5695 4705,5295 4805,5295 4805,5695
  pour cut-out: 4410,5835 4610,5835 4610,5635 4410,5635
  pour cut-out: 4130,5800 4130,5600 4330,5600 4330,5800
  pour cut-out: 3855,6160 3855,6090 4275,6090 4275,6160
  pour cut-out: 3795,6385 3795,6285 3800,6290 4195,6290 4195,6385
  pour cut-out: 3620,5900 3620,5700 3820,5700 3820,5900
  pour cut-out: 2830,4710 2830,4510 3030,4510 3030,4710
  pour cut-out: 3990,4330 3990,3430 3995,3435 4190,3435 4190,4330
Middle Layer 2:
  pour cut-out: 2390,3315 2390,3795 2750,4155 3080,4155 3080,3310 3075,3315
  pour cut-out: 4705,5695 4705,5295 4805,5295 4805,5695
  pour cut-out: 4410,5835 4410,5635 4605,5635 4610,5640 4610,5835
  pour cut-out: 4130,5800 4130,5600 4330,5600 4330,5800
  pour cut-out: 3855,6160 3855,6090 4270,6090 4275,6095 4275,6160
  pour cut-out: 3795,6385 3795,6285 4195,6285 4195,6385
  pour cut-out: 3620,5900 3620,5700 3820,5700 3820,5900
  pour cut-out: 2830,4710 2830,4510 3030,4510 3030,4710
  pour cut-out: 3990,4330 3990,3430 4190,3430 4190,4330
Bottom Layer:
  pour cut-out: 2390,3310 2390,3790 2750,4150 3080,4150 3080,3305 3075,3310
  pour cut-out: 4705,5695 4705,5295 4805,5295 4805,5695
  pour cut-out: 4410,5835 4410,5635 4610,5635 4610,5835
  pour cut-out: 4130,5800 4130,5605 4135,5600 4330,5600 4330,5800
  pour cut-out: 3855,6160 3855,6095 3860,6090 4275,6090 4275,6160
  pour cut-out: 3795,6385 3795,6285 4195,6285 4195,6385
  pour cut-out: 3620,5900 3620,5700 3820,5700 3820,5900
  pour cut-out: 2830,4710 2830,4510 3030,4510 3030,4710
  pour cut-out: 3990,4330 3990,3430 4190,3430 4190,4330

## Silkscreen, mask and mechanical layers (free items; w line width, h text height)
Top Overlay:
  text "demotree.vip" at 4675,3530 h60
Top Paste:
  drawing of 1497 lines, arcs and shapes, not listed
Top Solder:
  drawing of 1497 lines, arcs and shapes, not listed

## Text inside footprints (layer, text, board x,y; h text height)
BOOT: Top Overlay "1" at 4160,5830 h50 r270; Top Overlay "2" at 4260,5850 h50 r270; Top Overlay "4" at 4260,5590 h50 r270; Top Overlay "3" at 4160,5590 h50 r270
IOPORTA: Top Overlay "1" at 2035,6670 h50 r270; Top Overlay "2" at 2135,6670 h50 r270; Top Overlay "40" at 2135,4590 h50 r270; Top Overlay "39" at 2035,4590 h50 r270
IOPORTB: Top Overlay "1" at 5820,5430 h50 r270; Top Overlay "2" at 5920,5430 h50 r270; Top Overlay "40" at 5920,3350 h50 r270; Top Overlay "39" at 5820,3350 h50 r270
MPUBMP: Top Overlay "18" at 4120,3400 h50 r270; Top Overlay "17" at 4020,3400 h50 r270; Top Overlay "1" at 4020,4380 h50 r270; Top Overlay "2" at 4120,4400 h50 r270
UART1: Top Overlay "1" at 3590,5730 h50; Top Overlay "2" at 3570,5830 h50; Top Overlay "4" at 3830,5830 h50; Top Overlay "3" at 3830,5730 h50
UART2: Top Overlay "1" at 3000,4480 h50 r90; Top Overlay "2" at 2900,4460 h50 r90; Top Overlay "4" at 2900,4720 h50 r90; Top Overlay "3" at 3000,4720 h50 r90
UART3: Top Overlay "1" at 4380,5665 h50; Top Overlay "2" at 4360,5765 h50; Top Overlay "4" at 4620,5765 h50; Top Overlay "3" at 4620,5665 h50
USB1: Top Overlay "USB" at 3570,6910 h40 r180
USB2: Top Overlay "USB" at 4602.72,6905.83 h40 r180